# KiCad board ADC_Test.kicad_pcb
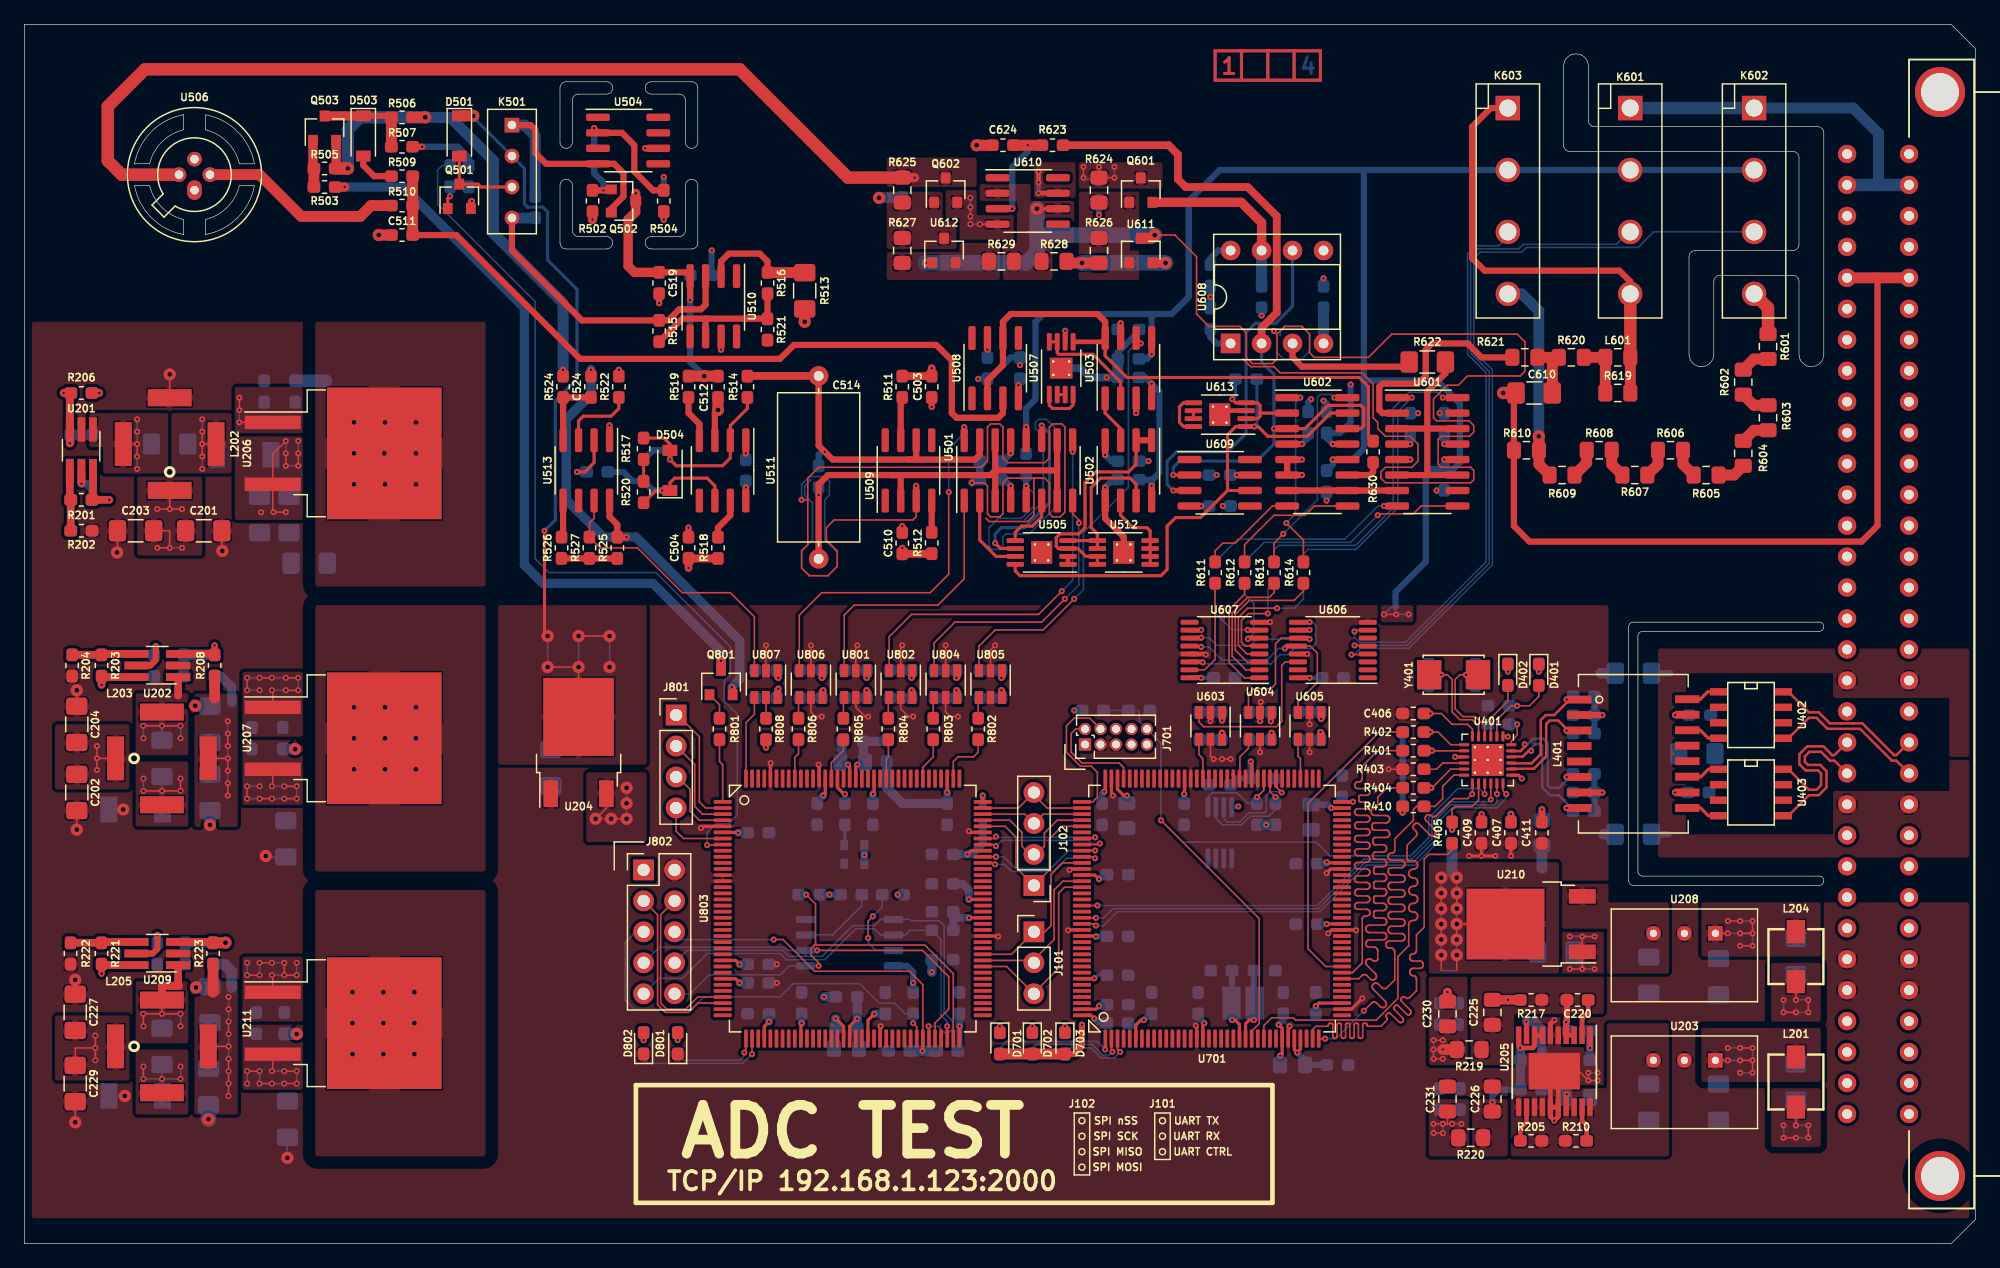
[diagram p0: board, top side]
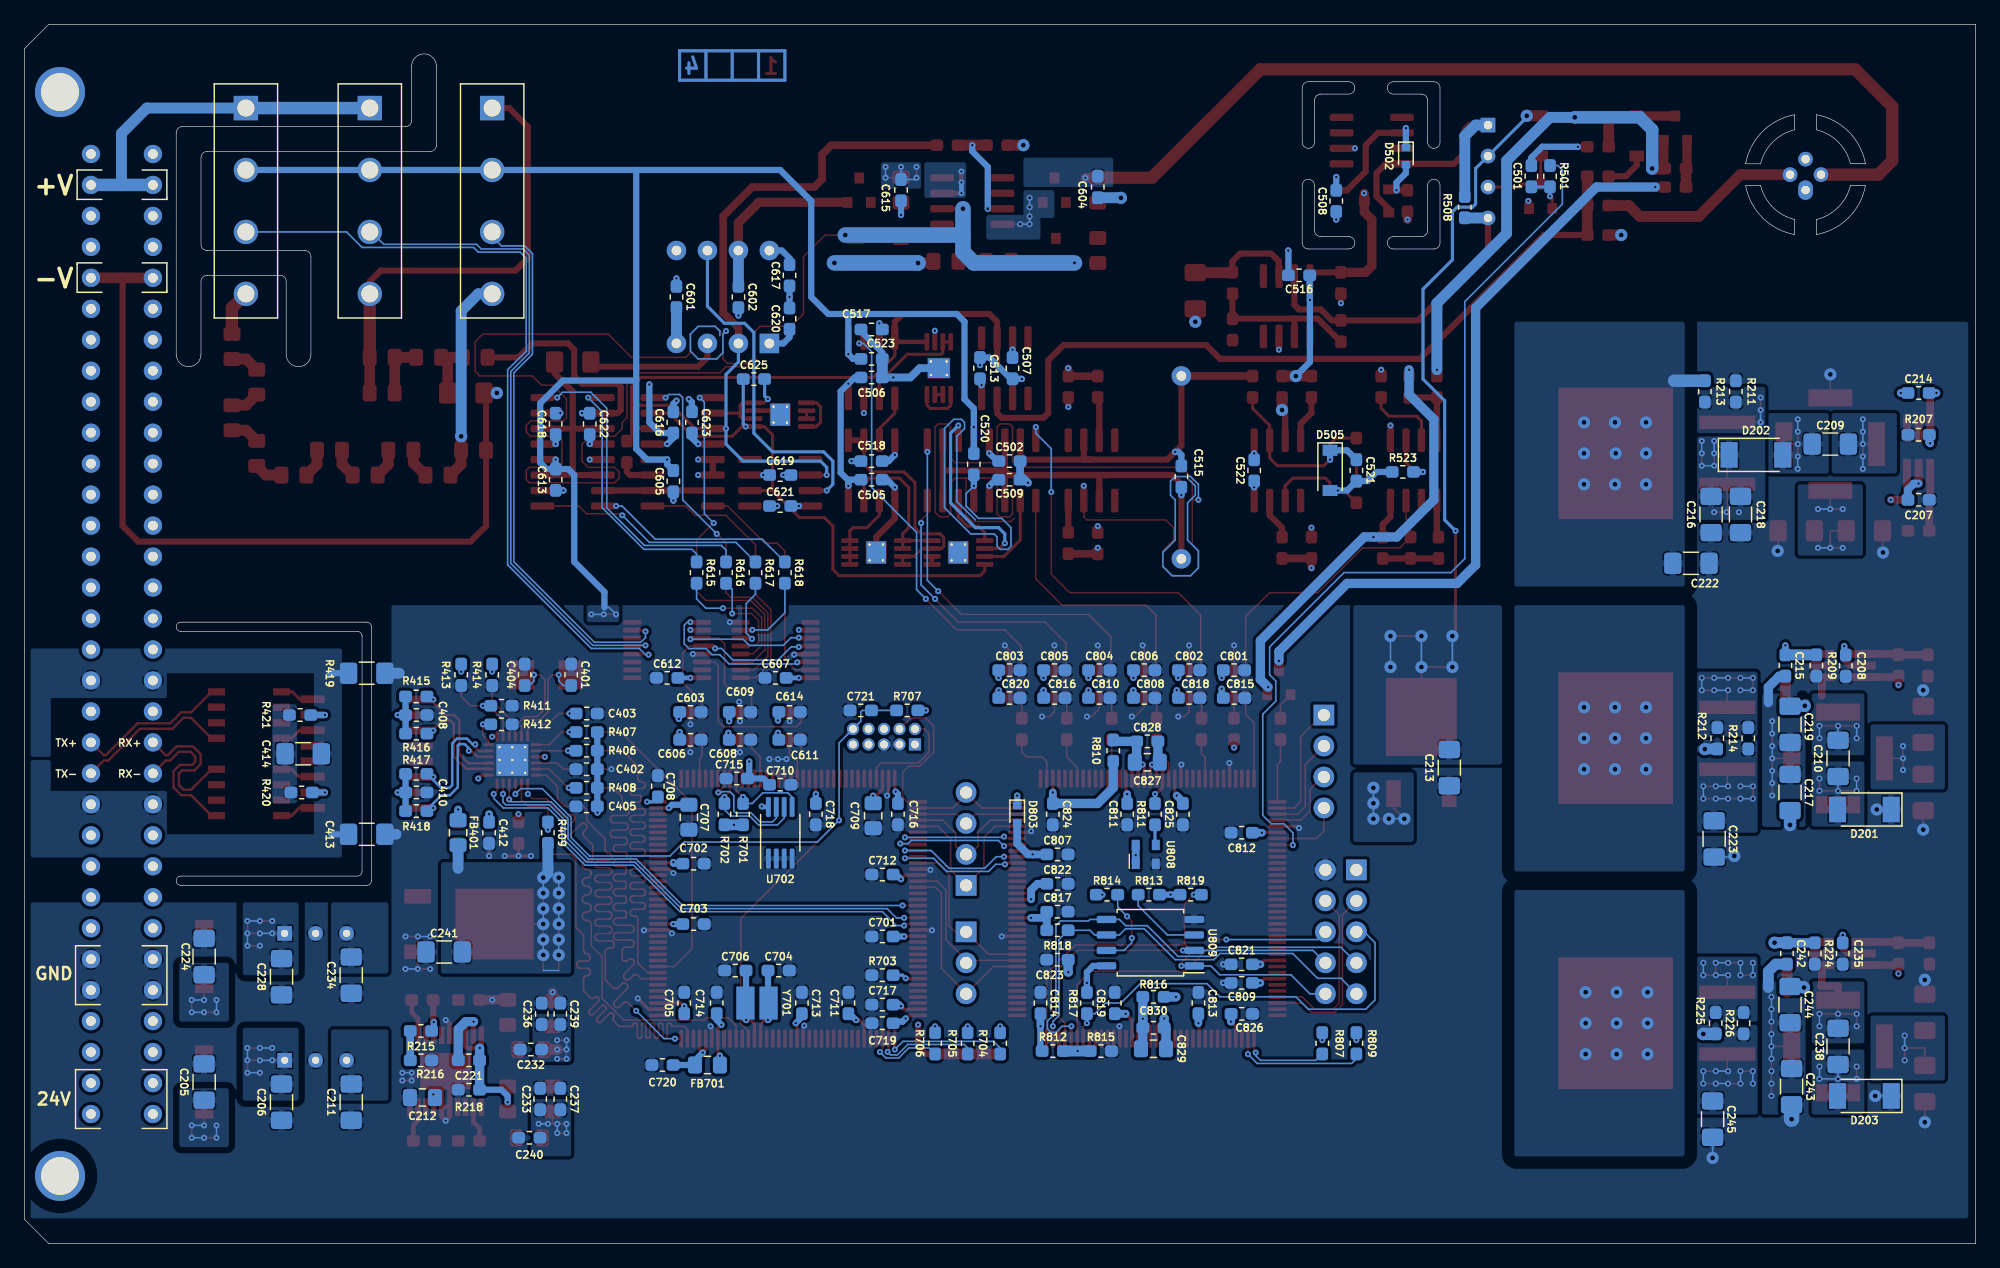
[diagram p1: board, bottom side, seen from below]

Outline 160 x 100 mm; copper layers: Top, Ground (plane), Power (plane), Bottom. Coordinates in mm from the lower left corner of the outline.
Outline path: 13.06,83.99 arc(11.27,85) 10.26,86.79 9.03,86.79 arc(10.42,84.14) 13.06,82.76 13.06,83.99 ; 14.84,83.99 14.84,82.76 arc(17.47,84.14) 18.86,86.77 17.63,86.79 arc(16.63,85) 14.84,83.99 ; 0,100 158,100 160,98 160,2 158,0 0,0 0,100 ; 9.03,88.57 arc(10.42,91.21) 13.06,92.59 13.06,91.36 arc(11.27,90.36) 10.27,88.57 9.03,88.57 ; 14.84,91.36 arc(16.63,90.36) 17.63,88.56 18.86,88.56 arc(17.48,91.2) 14.85,92.59 14.84,91.36 ; 43.92,94.79 arc(44.07,95.15) 44.43,95.3 47.73,95.3 arc(48.24,94.79) 47.73,94.28 45.44,94.28 arc(45.08,94.13) 44.94,93.77 44.94,90.34 arc(44.43,89.84) 43.92,90.34 43.92,94.79 ; 43.92,86.79 43.92,82.09 arc(44.07,81.73) 44.43,81.58 47.73,81.58 arc(48.24,82.09) 47.73,82.6 45.44,82.6 arc(45.08,82.74) 44.94,83.1 44.94,86.79 arc(44.43,87.3) 43.92,86.79 ; 51.41,95.3 54.71,95.3 arc(55.07,95.15) 55.22,94.79 55.22,90.34 arc(54.71,89.84) 54.21,90.34 54.21,93.77 arc(54.06,94.13) 53.7,94.28 51.41,94.28 arc(50.9,94.79) 51.41,95.3 ; 51.41,81.58 arc(50.9,82.09) 51.41,82.6 53.7,82.6 arc(54.06,82.74) 54.21,83.1 54.21,86.79 arc(54.71,87.3) 55.22,86.79 55.22,82.09 arc(55.07,81.73) 54.71,81.58 51.41,81.58 ; 126.22,96.57 126.22,90.09 arc(126.36,89.73) 126.72,89.58 145.01,89.58 arc(145.37,89.43) 145.52,89.07 145.52,81.96 arc(145.37,81.6) 145.01,81.45 137.01,81.45 arc(136.65,81.3) 136.5,80.94 136.5,72.94 arc(137.52,71.93) 138.53,72.94 138.53,78.91 arc(138.68,79.27) 139.04,79.42 145.01,79.42 arc(145.37,79.27) 145.52,78.91 145.52,72.94 arc(146.53,71.93) 147.55,72.94 147.55,91.1 arc(147.4,91.46) 147.04,91.61 128.75,91.61 arc(128.4,91.76) 128.25,92.12 128.25,96.57 arc(127.23,97.58) 126.22,96.57 ; 131.55,50.59 arc(131.66,50.86) 131.93,50.97 147.17,50.97 arc(147.55,50.59) 147.17,50.21 132.69,50.21 arc(132.42,50.1) 132.31,49.83 132.31,30.53 arc(132.42,30.26) 132.69,30.14 147.17,30.14 arc(147.55,29.76) 147.17,29.38 131.93,29.38 arc(131.66,29.49) 131.55,29.76 131.55,50.59

## Placement (name value [footprint] x y rotation side)
C201  10u/50V  [C_1206_3216Metric_Pad1.42x1.75mm_HandSolder]  14.71 58.47 0 top
C202  10u/50V  [C_1206_3216Metric_Pad1.42x1.75mm_HandSolder]  4.3 37 270 top
C203  4u7/50V  [C_1206_3216Metric_Pad1.42x1.75mm_HandSolder]  9.12 58.47 180 top
C204  4u7/50V  [C_1206_3216Metric_Pad1.42x1.75mm_HandSolder]  4.3 42.59 90 top
C205  10u/50V  [C_1206_3216Metric_Pad1.42x1.75mm_HandSolder]  145.26 13.25 90 bottom
C206  10u/50V  [C_1206_3216Metric_Pad1.42x1.75mm_HandSolder]  138.91 11.6 270 bottom
C207  1u  [C_0603_1608Metric_Pad1.05x0.95mm_HandSolder]  4.68 61.01 180 bottom
C208  1u  [C_0603_1608Metric_Pad1.05x0.95mm_HandSolder]  10.64 47.4 270 bottom
C209  1u/HC  [C_1206_3216Metric_Pad1.42x1.75mm_HandSolder]  11.92 65.58 180 bottom
C210  1u/HC  [C_1206_3216Metric_Pad1.42x1.75mm_HandSolder]  11.28 39.8 90 bottom
C211  10u/16V  [C_1206_3216Metric_Pad1.42x1.75mm_HandSolder]  133.2 11.6 270 bottom
C212  10u  [C_0805_2012Metric_Pad1.15x1.40mm_HandSolder]  127.36 11.98 0 bottom
C213  47u/16V  [C_1206_3216Metric_Pad1.42x1.75mm_HandSolder]  43.16 39.03 270 bottom
C214  4p7  [C_0603_1608Metric_Pad1.05x0.95mm_HandSolder]  4.68 69.77 180 bottom
C215  4p7  [C_0603_1608Metric_Pad1.05x0.95mm_HandSolder]  15.6 47.42 90 bottom
C216  4u7/50V  [C_1206_3216Metric_Pad1.42x1.75mm_HandSolder]  21.69 59.8 270 bottom
C217  4u7/50V  [C_1206_3216Metric_Pad1.42x1.75mm_HandSolder]  15.22 37 270 bottom
C218  4u7/50V  [C_1206_3216Metric_Pad1.42x1.75mm_HandSolder]  19.28 59.8 270 bottom
C219  4u7/50V  [C_1206_3216Metric_Pad1.42x1.75mm_HandSolder]  15.22 42.59 90 bottom
C220  10n  [C_0603_1608Metric_Pad1.05x0.95mm_HandSolder]  127.36 19.98 0 top
C221  10n  [C_0603_1608Metric_Pad1.05x0.95mm_HandSolder]  123.55 15.03 0 bottom
C222  4u7/50V  [C_1206_3216Metric_Pad1.42x1.75mm_HandSolder]  23.34 55.8 180 bottom
C223  4u7/50V  [C_1206_3216Metric_Pad1.42x1.75mm_HandSolder]  21.44 33.19 270 bottom
C224  10u/50V  [C_1206_3216Metric_Pad1.42x1.75mm_HandSolder]  145.26 23.54 90 bottom
C225  10u  [C_0805_2012Metric_Pad1.15x1.40mm_HandSolder]  120.37 18.97 90 top
C226  4u7  [C_0805_2012Metric_Pad1.15x1.40mm_HandSolder]  120.37 11.86 90 top
C227  10u/50V  [C_1206_3216Metric_Pad1.42x1.75mm_HandSolder]  4.17 18.97 90 top
C228  10u/50V  [C_1206_3216Metric_Pad1.42x1.75mm_HandSolder]  138.91 21.89 270 bottom
C229  4u7/50V  [C_1206_3216Metric_Pad1.42x1.75mm_HandSolder]  4.17 13.13 270 top
C230  10u  [C_0805_2012Metric_Pad1.15x1.40mm_HandSolder]  116.69 18.84 90 top
C231  10u  [C_0805_2012Metric_Pad1.15x1.40mm_HandSolder]  116.69 11.86 90 top
C232  1u  [C_0603_1608Metric_Pad1.05x0.95mm_HandSolder]  118.47 15.92 0 bottom
C233  1u  [C_0603_1608Metric_Pad1.05x0.95mm_HandSolder]  117.71 11.86 90 bottom
C234  10u/16V  [C_1206_3216Metric_Pad1.42x1.75mm_HandSolder]  133.2 22.02 270 bottom
C235  1u  [C_0603_1608Metric_Pad1.05x0.95mm_HandSolder]  10.9 23.8 270 bottom
C236  100n  [C_0603_1608Metric_Pad1.05x0.95mm_HandSolder]  117.58 18.84 90 bottom
C237  100n  [C_0603_1608Metric_Pad1.05x0.95mm_HandSolder]  116.06 11.86 90 bottom
C238  1u/HC  [C_1206_3216Metric_Pad1.42x1.75mm_HandSolder]  11.28 16.17 90 bottom
C239  10n  [C_0603_1608Metric_Pad1.05x0.95mm_HandSolder]  116.06 18.84 90 bottom
C240  10n  [C_0603_1608Metric_Pad1.05x0.95mm_HandSolder]  118.59 8.68 0 bottom
C241  47u/16V  [C_1206_3216Metric_Pad1.42x1.75mm_HandSolder]  125.58 23.92 0 bottom
C242  4p7  [C_0603_1608Metric_Pad1.05x0.95mm_HandSolder]  15.47 23.8 90 bottom
C243  4u7/50V  [C_1206_3216Metric_Pad1.42x1.75mm_HandSolder]  15.09 12.87 270 bottom
C244  4u7/50V  [C_1206_3216Metric_Pad1.42x1.75mm_HandSolder]  15.22 19.6 90 bottom
C245  4u7/50V  [C_1206_3216Metric_Pad1.42x1.75mm_HandSolder]  21.57 10.21 270 bottom
C401  8p  [C_0603_1608Metric_Pad1.05x0.95mm_HandSolder]  115.17 46.66 90 bottom
C402  100n  [C_0603_1608Metric_Pad1.05x0.95mm_HandSolder]  113.9 38.91 0 bottom
C403  470p  [C_0603_1608Metric_Pad1.05x0.95mm_HandSolder]  113.9 43.48 180 bottom
C404  8p  [C_0603_1608Metric_Pad1.05x0.95mm_HandSolder]  118.98 46.66 90 bottom
C405  100n  [C_0603_1608Metric_Pad1.05x0.95mm_HandSolder]  113.9 35.86 0 bottom
C406  1u  [C_0603_1608Metric_Pad1.05x0.95mm_HandSolder]  113.9 43.48 180 top
C407  1u  [C_0603_1608Metric_Pad1.05x0.95mm_HandSolder]  121.9 33.7 270 top
C408  100n  [C_0603_1608Metric_Pad1.05x0.95mm_HandSolder]  127.87 43.35 180 bottom
C409  100n  [C_0603_1608Metric_Pad1.05x0.95mm_HandSolder]  119.48 33.7 270 top
C410  100n  [C_0603_1608Metric_Pad1.05x0.95mm_HandSolder]  127.87 37 180 bottom
C411  100n  [C_0603_1608Metric_Pad1.05x0.95mm_HandSolder]  124.44 33.7 270 top
C412  100n  [C_0603_1608Metric_Pad1.05x0.95mm_HandSolder]  121.9 33.7 270 bottom
C413  1n/1kV  [C_1206_3216Metric_Pad1.42x1.75mm_HandSolder]  131.93 33.57 180 bottom
C414  1n/1kV  [C_1206_3216Metric_Pad1.42x1.75mm_HandSolder]  137.14 40.18 180 bottom
C501  10p  [C_0603_1608Metric_Pad1.05x0.95mm_HandSolder]  36.43 87.55 270 bottom
C502  100n  [C_0603_1608Metric_Pad1.05x0.95mm_HandSolder]  79.22 64.18 180 bottom
C503  100n  [C_0603_1608Metric_Pad1.05x0.95mm_HandSolder]  74.4 70.28 270 top
C504  100n  [C_0603_1608Metric_Pad1.05x0.95mm_HandSolder]  54.46 57.07 90 top
C505  100n  [C_0603_1608Metric_Pad1.05x0.95mm_HandSolder]  90.53 62.66 180 bottom
C506  100n  [C_0603_1608Metric_Pad1.05x0.95mm_HandSolder]  90.53 71.04 180 bottom
C507  100n  [C_0603_1608Metric_Pad1.05x0.95mm_HandSolder]  78.97 71.8 270 bottom
C508  100n  [C_0603_1608Metric_Pad1.05x0.95mm_HandSolder]  52.43 85.52 90 bottom
C509  100n  [C_0603_1608Metric_Pad1.05x0.95mm_HandSolder]  79.22 62.66 180 bottom
C510  100n  [C_0603_1608Metric_Pad1.05x0.95mm_HandSolder]  71.99 57.45 90 top
C511  100n  [C_0603_1608Metric_Pad1.05x0.95mm_HandSolder]  30.97 82.72 180 top
C512  100n  [C_0603_1608Metric_Pad1.05x0.95mm_HandSolder]  56.87 70.28 270 top
C513  100n  [C_0603_1608Metric_Pad1.05x0.95mm_HandSolder]  81.64 71.8 90 bottom
C514  23PS222  [C_Axial_L12.0mm_D6.5mm_P15.00mm_Horizontal]  65.13 71.17 270 top
C515  2n2/SMD  [C_0603_1608Metric_Pad1.05x0.95mm_HandSolder]  65.13 62.91 270 bottom
C516  100n  [C_0603_1608Metric_Pad1.05x0.95mm_HandSolder]  55.48 79.42 0 bottom
C517  100n  [C_0603_1608Metric_Pad1.05x0.95mm_HandSolder]  90.53 74.98 0 bottom
C518  100n  [C_0603_1608Metric_Pad1.05x0.95mm_HandSolder]  90.53 64.18 0 bottom
C519  100n  [C_0603_1608Metric_Pad1.05x0.95mm_HandSolder]  52.05 78.79 270 top
C520  100n  [C_0603_1608Metric_Pad1.05x0.95mm_HandSolder]  82.15 63.93 270 bottom
C521  33p  [C_0603_1608Metric_Pad1.05x0.95mm_HandSolder]  50.78 63.42 90 bottom
C522  DNP  [C_0603_1608Metric_Pad1.05x0.95mm_HandSolder]  59.16 63.42 270 bottom
C523  100n  [C_0603_1608Metric_Pad1.05x0.95mm_HandSolder]  90.53 72.56 180 bottom
C524  100n  [C_0603_1608Metric_Pad1.05x0.95mm_HandSolder]  46.46 70.28 270 top
C601  100n  [C_0603_1608Metric_Pad1.05x0.95mm_HandSolder]  106.53 77.64 90 bottom
C602  100n  [C_0603_1608Metric_Pad1.05x0.95mm_HandSolder]  101.45 77.64 270 bottom
C603  100n  [C_0603_1608Metric_Pad1.05x0.95mm_HandSolder]  105.39 43.61 180 bottom
C604  100n  [C_0603_1608Metric_Pad1.05x0.95mm_HandSolder]  71.99 86.66 270 bottom
C605  100n  [C_0603_1608Metric_Pad1.05x0.95mm_HandSolder]  106.78 62.53 270 bottom
C606  100n  [C_0603_1608Metric_Pad1.05x0.95mm_HandSolder]  105.39 41.32 180 bottom
C607  100n  [C_0603_1608Metric_Pad1.05x0.95mm_HandSolder]  98.4 46.4 0 bottom
C608  100n  [C_0603_1608Metric_Pad1.05x0.95mm_HandSolder]  101.32 41.32 180 bottom
C609  100n  [C_0603_1608Metric_Pad1.05x0.95mm_HandSolder]  101.32 43.61 180 bottom
C610  4n7  [C_1206_3216Metric_Pad1.42x1.75mm_HandSolder]  123.8 69.77 0 top
C611  100n  [C_0603_1608Metric_Pad1.05x0.95mm_HandSolder]  97.26 41.32 180 bottom
C612  100n  [C_0603_1608Metric_Pad1.05x0.95mm_HandSolder]  107.29 46.4 0 bottom
C613  100n  [C_0603_1608Metric_Pad1.05x0.95mm_HandSolder]  116.44 62.66 270 bottom
C614  100n  [C_0603_1608Metric_Pad1.05x0.95mm_HandSolder]  97.26 43.61 180 bottom
C615  100n  [C_0603_1608Metric_Pad1.05x0.95mm_HandSolder]  88.12 86.41 270 bottom
C616  100n  [C_0603_1608Metric_Pad1.05x0.95mm_HandSolder]  106.78 67.36 90 bottom
C617  100n  [C_0603_1608Metric_Pad1.05x0.95mm_HandSolder]  97.26 79.42 270 bottom
C618  100n  [C_0603_1608Metric_Pad1.05x0.95mm_HandSolder]  116.44 67.23 90 bottom
C619  100n  [C_0603_1608Metric_Pad1.05x0.95mm_HandSolder]  98.02 63.04 180 bottom
C620  100n  [C_0603_1608Metric_Pad1.05x0.95mm_HandSolder]  97.26 75.86 90 bottom
C621  100n  [C_0603_1608Metric_Pad1.05x0.95mm_HandSolder]  98.02 60.5 0 bottom
C622  100n  [C_0603_1608Metric_Pad1.05x0.95mm_HandSolder]  113.64 67.23 90 bottom
C623  100n  [C_0603_1608Metric_Pad1.05x0.95mm_HandSolder]  105.26 67.36 90 bottom
C624  4n7  [C_0603_1608Metric_Pad1.05x0.95mm_HandSolder]  80.24 90.09 180 top
C625  4n7  [C_0603_1608Metric_Pad1.05x0.95mm_HandSolder]  100.18 70.91 0 bottom
C701  100n  [C_0603_1608Metric_Pad1.05x0.95mm_HandSolder]  89.64 25.19 0 bottom
C702  100n  [C_0603_1608Metric_Pad1.05x0.95mm_HandSolder]  105.13 31.16 180 bottom
C703  100n  [C_0603_1608Metric_Pad1.05x0.95mm_HandSolder]  105.13 26.21 180 bottom
C704  8p  [C_0603_1608Metric_Pad1.05x0.95mm_HandSolder]  98.15 22.4 180 bottom
C705  100n  [C_0603_1608Metric_Pad1.05x0.95mm_HandSolder]  105.9 19.73 90 bottom
C706  8p  [C_0603_1608Metric_Pad1.05x0.95mm_HandSolder]  101.7 22.4 0 bottom
C707  2u2  [C_0805_2012Metric_Pad1.15x1.40mm_HandSolder]  105.51 34.97 270 bottom
C708  100n  [C_0603_1608Metric_Pad1.05x0.95mm_HandSolder]  108.05 37.51 90 bottom
C709  2u2  [C_0805_2012Metric_Pad1.15x1.40mm_HandSolder]  90.4 35.1 270 bottom
C710  100n  [C_0603_1608Metric_Pad1.05x0.95mm_HandSolder]  98.02 37.64 180 bottom
C711  1u  [C_0603_1608Metric_Pad1.05x0.95mm_HandSolder]  92.43 19.73 90 bottom
C712  100n  [C_0603_1608Metric_Pad1.05x0.95mm_HandSolder]  89.64 30.27 0 bottom
C713  100n  [C_0603_1608Metric_Pad1.05x0.95mm_HandSolder]  96.24 19.73 90 bottom
C714  100n  [C_0603_1608Metric_Pad1.05x0.95mm_HandSolder]  103.23 19.73 90 bottom
C715  100n  [C_0603_1608Metric_Pad1.05x0.95mm_HandSolder]  101.58 38.15 0 bottom
C716  100n  [C_0603_1608Metric_Pad1.05x0.95mm_HandSolder]  88.37 35.22 270 bottom
C717  100n  [C_0603_1608Metric_Pad1.05x0.95mm_HandSolder]  89.64 19.6 0 bottom
C718  100n  [C_0603_1608Metric_Pad1.05x0.95mm_HandSolder]  95.1 35.22 270 bottom
C719  100n  [C_0603_1608Metric_Pad1.05x0.95mm_HandSolder]  89.64 18.08 0 bottom
C720  1u  [C_0603_1608Metric_Pad1.05x0.95mm_HandSolder]  107.67 14.65 0 bottom
C721  100n  [C_0603_1608Metric_Pad1.05x0.95mm_HandSolder]  91.42 43.73 0 bottom
C801  100n  [C_0603_1608Metric_Pad1.05x0.95mm_HandSolder]  60.81 47.04 180 bottom
C802  100n  [C_0603_1608Metric_Pad1.05x0.95mm_HandSolder]  64.49 47.04 180 bottom
C803  100n  [C_0603_1608Metric_Pad1.05x0.95mm_HandSolder]  79.22 47.04 180 bottom
C804  100n  [C_0603_1608Metric_Pad1.05x0.95mm_HandSolder]  71.86 47.04 180 bottom
C805  100n  [C_0603_1608Metric_Pad1.05x0.95mm_HandSolder]  75.54 47.04 180 bottom
C806  100n  [C_0603_1608Metric_Pad1.05x0.95mm_HandSolder]  68.18 47.04 180 bottom
C807  100n  [C_0603_1608Metric_Pad1.05x0.95mm_HandSolder]  75.29 31.92 180 bottom
C808  100n  [C_0603_1608Metric_Pad1.05x0.95mm_HandSolder]  68.18 44.75 180 bottom
C809  100n  [C_0603_1608Metric_Pad1.05x0.95mm_HandSolder]  60.18 21.38 0 bottom
C810  100n  [C_0603_1608Metric_Pad1.05x0.95mm_HandSolder]  71.86 44.75 180 bottom
C811  100n  [C_0603_1608Metric_Pad1.05x0.95mm_HandSolder]  69.57 35.22 270 bottom
C812  100n  [C_0603_1608Metric_Pad1.05x0.95mm_HandSolder]  60.18 33.7 0 bottom
C813  100n  [C_0603_1608Metric_Pad1.05x0.95mm_HandSolder]  63.73 19.73 90 bottom
C814  100n  [C_0603_1608Metric_Pad1.05x0.95mm_HandSolder]  76.69 19.73 90 bottom
C815  100n  [C_0603_1608Metric_Pad1.05x0.95mm_HandSolder]  60.81 44.75 180 bottom
C816  100n  [C_0603_1608Metric_Pad1.05x0.95mm_HandSolder]  75.54 44.75 180 bottom
C817  100n  [C_0603_1608Metric_Pad1.05x0.95mm_HandSolder]  75.29 27.22 180 bottom
C818  100n  [C_0603_1608Metric_Pad1.05x0.95mm_HandSolder]  64.49 44.75 180 bottom
C819  100n  [C_0603_1608Metric_Pad1.05x0.95mm_HandSolder]  70.59 19.73 90 bottom
C820  100n  [C_0603_1608Metric_Pad1.05x0.95mm_HandSolder]  79.22 44.75 180 bottom
C821  100n  [C_0603_1608Metric_Pad1.05x0.95mm_HandSolder]  60.18 22.91 0 bottom
C822  100n  [C_0603_1608Metric_Pad1.05x0.95mm_HandSolder]  75.29 29.51 180 bottom
C823  100n  [C_0603_1608Metric_Pad1.05x0.95mm_HandSolder]  75.29 23.29 0 bottom
C824  100n  [C_0603_1608Metric_Pad1.05x0.95mm_HandSolder]  75.67 35.22 270 bottom
C825  100n  [C_0603_1608Metric_Pad1.05x0.95mm_HandSolder]  65 35.22 270 bottom
C826  100n  [C_0603_1608Metric_Pad1.05x0.95mm_HandSolder]  60.18 18.84 180 bottom
C827  10u  [C_0805_2012Metric_Pad1.15x1.40mm_HandSolder]  67.92 39.48 180 bottom
C828  100n  [C_0603_1608Metric_Pad1.05x0.95mm_HandSolder]  67.92 41.19 180 bottom
C829  10u  [C_0805_2012Metric_Pad1.15x1.40mm_HandSolder]  67.41 15.98 180 bottom
C830  100n  [C_0603_1608Metric_Pad1.05x0.95mm_HandSolder]  67.41 17.7 180 bottom
D201  PMEG6010EP,115  [D_SOD-128]  9.12 35.61 0 bottom
D202  PMEG6010EP,115  [D_SOD-128]  18.01 64.69 180 bottom
D203  PMEG6010EP,115  [D_SOD-128]  9.12 12.11 0 bottom
D401  YELLOW  [LED_0603_1608Metric_Pad1.05x0.95mm_HandSolder]  124.18 46.66 270 top
D402  GREEN  [LED_0603_1608Metric_Pad1.05x0.95mm_HandSolder]  121.64 46.66 270 top
D501  1N4148W  [D_SOD-123]  35.66 90.85 270 top
D502  BZT585B15TQ-13  [D_SOD-523]  46.71 89.2 270 bottom
D503  BAV21W  [D_SOD-123]  27.79 90.85 270 top
D504  BAV21W  [D_SOD-123]  52.94 63.42 90 top
D505  BAV21W  [D_SOD-123]  52.94 63.42 270 bottom
D701  RED  [LED_0603_1608Metric_Pad1.05x0.95mm_HandSolder]  79.99 16.43 270 top
D702  GREEN  [LED_0603_1608Metric_Pad1.05x0.95mm_HandSolder]  82.65 16.43 270 top
D703  BLUE  [LED_0603_1608Metric_Pad1.05x0.95mm_HandSolder]  85.32 16.43 270 top
D801  GREEN  [LED_0603_1608Metric_Pad1.05x0.95mm_HandSolder]  53.57 16.43 90 top
D802  RED  [LED_0603_1608Metric_Pad1.05x0.95mm_HandSolder]  50.78 16.43 90 top
D803  CDBU0520  [D_SOD-523]  78.59 35.22 270 bottom
FB401  742792031  [L_0805_2012Metric_Pad1.15x1.40mm_HandSolder]  124.44 33.7 270 bottom
FB701  742792031  [L_0805_2012Metric_Pad1.15x1.40mm_HandSolder]  103.99 14.65 180 bottom
J101  Conn_01x03_Male  [PinHeader_1x03_P2.54mm_Vertical]  82.78 25.57 0 top
J102  Conn_01x04_Male  [PinHeader_1x04_P2.54mm_Vertical]  82.78 29.38 180 top
J301  C64AC  [Socket_DIN41612-CaseC1-AC-Male-64Pin-2rows]  152 50 90 top
J701  20021111-00010T4LF  [PinHeader_2x05_P1.27mm_Vertical]  86.97 40.94 90 top
J801  Conn_01x04_Male  [PinHeader_1x04_P2.54mm_Vertical]  53.44 43.35 0 top
J802  Conn_02x05  [PinHeader_2x05_P2.54mm_Vertical]  50.78 30.65 0 top
K501  -  [9012]  39.98 87.93 270 top
K601  HE3621A0510  [HE360_x-5050462-8]  131.68 85.52 270 top
K602  HE3621A0510  [HE360_x-5050462-8]  141.84 85.52 270 top
K603  HE3621A0510  [HE360_x-5050462-8]  121.64 85.52 270 top
L201  -  [TCK-141]  145.26 13.25 90 top
L202  -  [74489440068]  11.92 65.58 180 top
L203  -  [74489440068]  11.28 39.8 90 top
L204  -  [TCK-141]  145.26 23.54 90 top
L205  -  [74489440068]  11.28 16.17 90 top
L401  -  [749010012A]  131.93 40.18 0 top
L601  L0805R100MPWRT  [R_0805_2012Metric_Pad1.15x1.40mm_HandSolder]  130.66 72.69 180 top
Q501  BC847  [SOT-23]  35.66 85.9 90 top
Q502  MMBTA55  [SOT-23]  49.13 85.52 0 top
Q503  BC847  [SOT-23]  24.61 91.49 90 top
Q601  BC847  [SOT-23]  91.54 86.41 90 top
Q602  BC857  [SOT-23]  75.54 86.41 90 top
Q801  BC857  [SOT-23]  57.13 46.02 90 top
R201  1M  [R_0603_1608Metric_Pad1.05x0.95mm_HandSolder]  4.68 61.01 180 top
R202  287k  [R_0603_1608Metric_Pad1.05x0.95mm_HandSolder]  4.68 58.47 0 top
R203  1M  [R_0603_1608Metric_Pad1.05x0.95mm_HandSolder]  6.33 47.42 90 top
R204  287k  [R_0603_1608Metric_Pad1.05x0.95mm_HandSolder]  3.91 47.42 270 top
R205  1M  [R_0603_1608Metric_Pad1.05x0.95mm_HandSolder]  123.55 8.43 180 top
R206  1M  [R_0603_1608Metric_Pad1.05x0.95mm_HandSolder]  4.68 69.77 180 top
R207  82k5  [R_0603_1608Metric_Pad1.05x0.95mm_HandSolder]  4.68 66.34 0 bottom
R208  1M  [R_0603_1608Metric_Pad1.05x0.95mm_HandSolder]  15.6 47.42 90 top
R209  39k2  [R_0603_1608Metric_Pad1.05x0.95mm_HandSolder]  13.06 47.42 270 bottom
R210  1M  [R_0603_1608Metric_Pad1.05x0.95mm_HandSolder]  127.23 8.43 0 top
R211  1k6  [R_0603_1608Metric_Pad1.05x0.95mm_HandSolder]  19.66 69.9 90 bottom
R212  1k6  [R_0603_1608Metric_Pad1.05x0.95mm_HandSolder]  21.19 41.45 270 bottom
R213  120  [R_0603_1608Metric_Pad1.05x0.95mm_HandSolder]  22.2 69.9 270 bottom
R214  120  [R_0603_1608Metric_Pad1.05x0.95mm_HandSolder]  18.65 41.45 90 bottom
R215  357k  [R_0603_1608Metric_Pad1.05x0.95mm_HandSolder]  127.49 17.44 0 bottom
R216  210k  [R_0603_1608Metric_Pad1.05x0.95mm_HandSolder]  127.49 15.03 0 bottom
R217  100  [R_0603_1608Metric_Pad1.05x0.95mm_HandSolder]  123.55 19.98 180 top
R218  100  [R_0603_1608Metric_Pad1.05x0.95mm_HandSolder]  123.55 12.62 0 bottom
R219  0R1  [R_0805_2012Metric_Pad1.15x1.40mm_HandSolder]  118.47 15.92 0 top
R220  0R1  [R_0805_2012Metric_Pad1.15x1.40mm_HandSolder]  118.59 8.68 0 top
R221  1M  [R_0603_1608Metric_Pad1.05x0.95mm_HandSolder]  6.33 23.8 90 top
R222  287k  [R_0603_1608Metric_Pad1.05x0.95mm_HandSolder]  3.79 23.8 270 top
R223  1M  [R_0603_1608Metric_Pad1.05x0.95mm_HandSolder]  15.47 23.8 90 top
R224  46k4  [R_0603_1608Metric_Pad1.05x0.95mm_HandSolder]  13.19 23.8 270 bottom
R225  1k23  [R_0603_1608Metric_Pad1.05x0.95mm_HandSolder]  21.31 18.08 270 bottom
R226  120  [R_0603_1608Metric_Pad1.05x0.95mm_HandSolder]  19.03 18.08 90 bottom
R401  33  [R_0603_1608Metric_Pad1.05x0.95mm_HandSolder]  113.9 40.43 180 top
R402  33  [R_0603_1608Metric_Pad1.05x0.95mm_HandSolder]  113.9 41.96 180 top
R403  10k  [R_0603_1608Metric_Pad1.05x0.95mm_HandSolder]  113.9 38.91 180 top
R404  33  [R_0603_1608Metric_Pad1.05x0.95mm_HandSolder]  113.9 37.38 180 top
R405  33  [R_0603_1608Metric_Pad1.05x0.95mm_HandSolder]  117.07 33.7 270 top
R406  10k  [R_0603_1608Metric_Pad1.05x0.95mm_HandSolder]  113.9 40.43 0 bottom
R407  10k  [R_0603_1608Metric_Pad1.05x0.95mm_HandSolder]  113.9 41.96 0 bottom
R408  10k  [R_0603_1608Metric_Pad1.05x0.95mm_HandSolder]  113.9 37.38 0 bottom